# KiCad board motordecoder2-roomlight.kicad_pcb (continued)
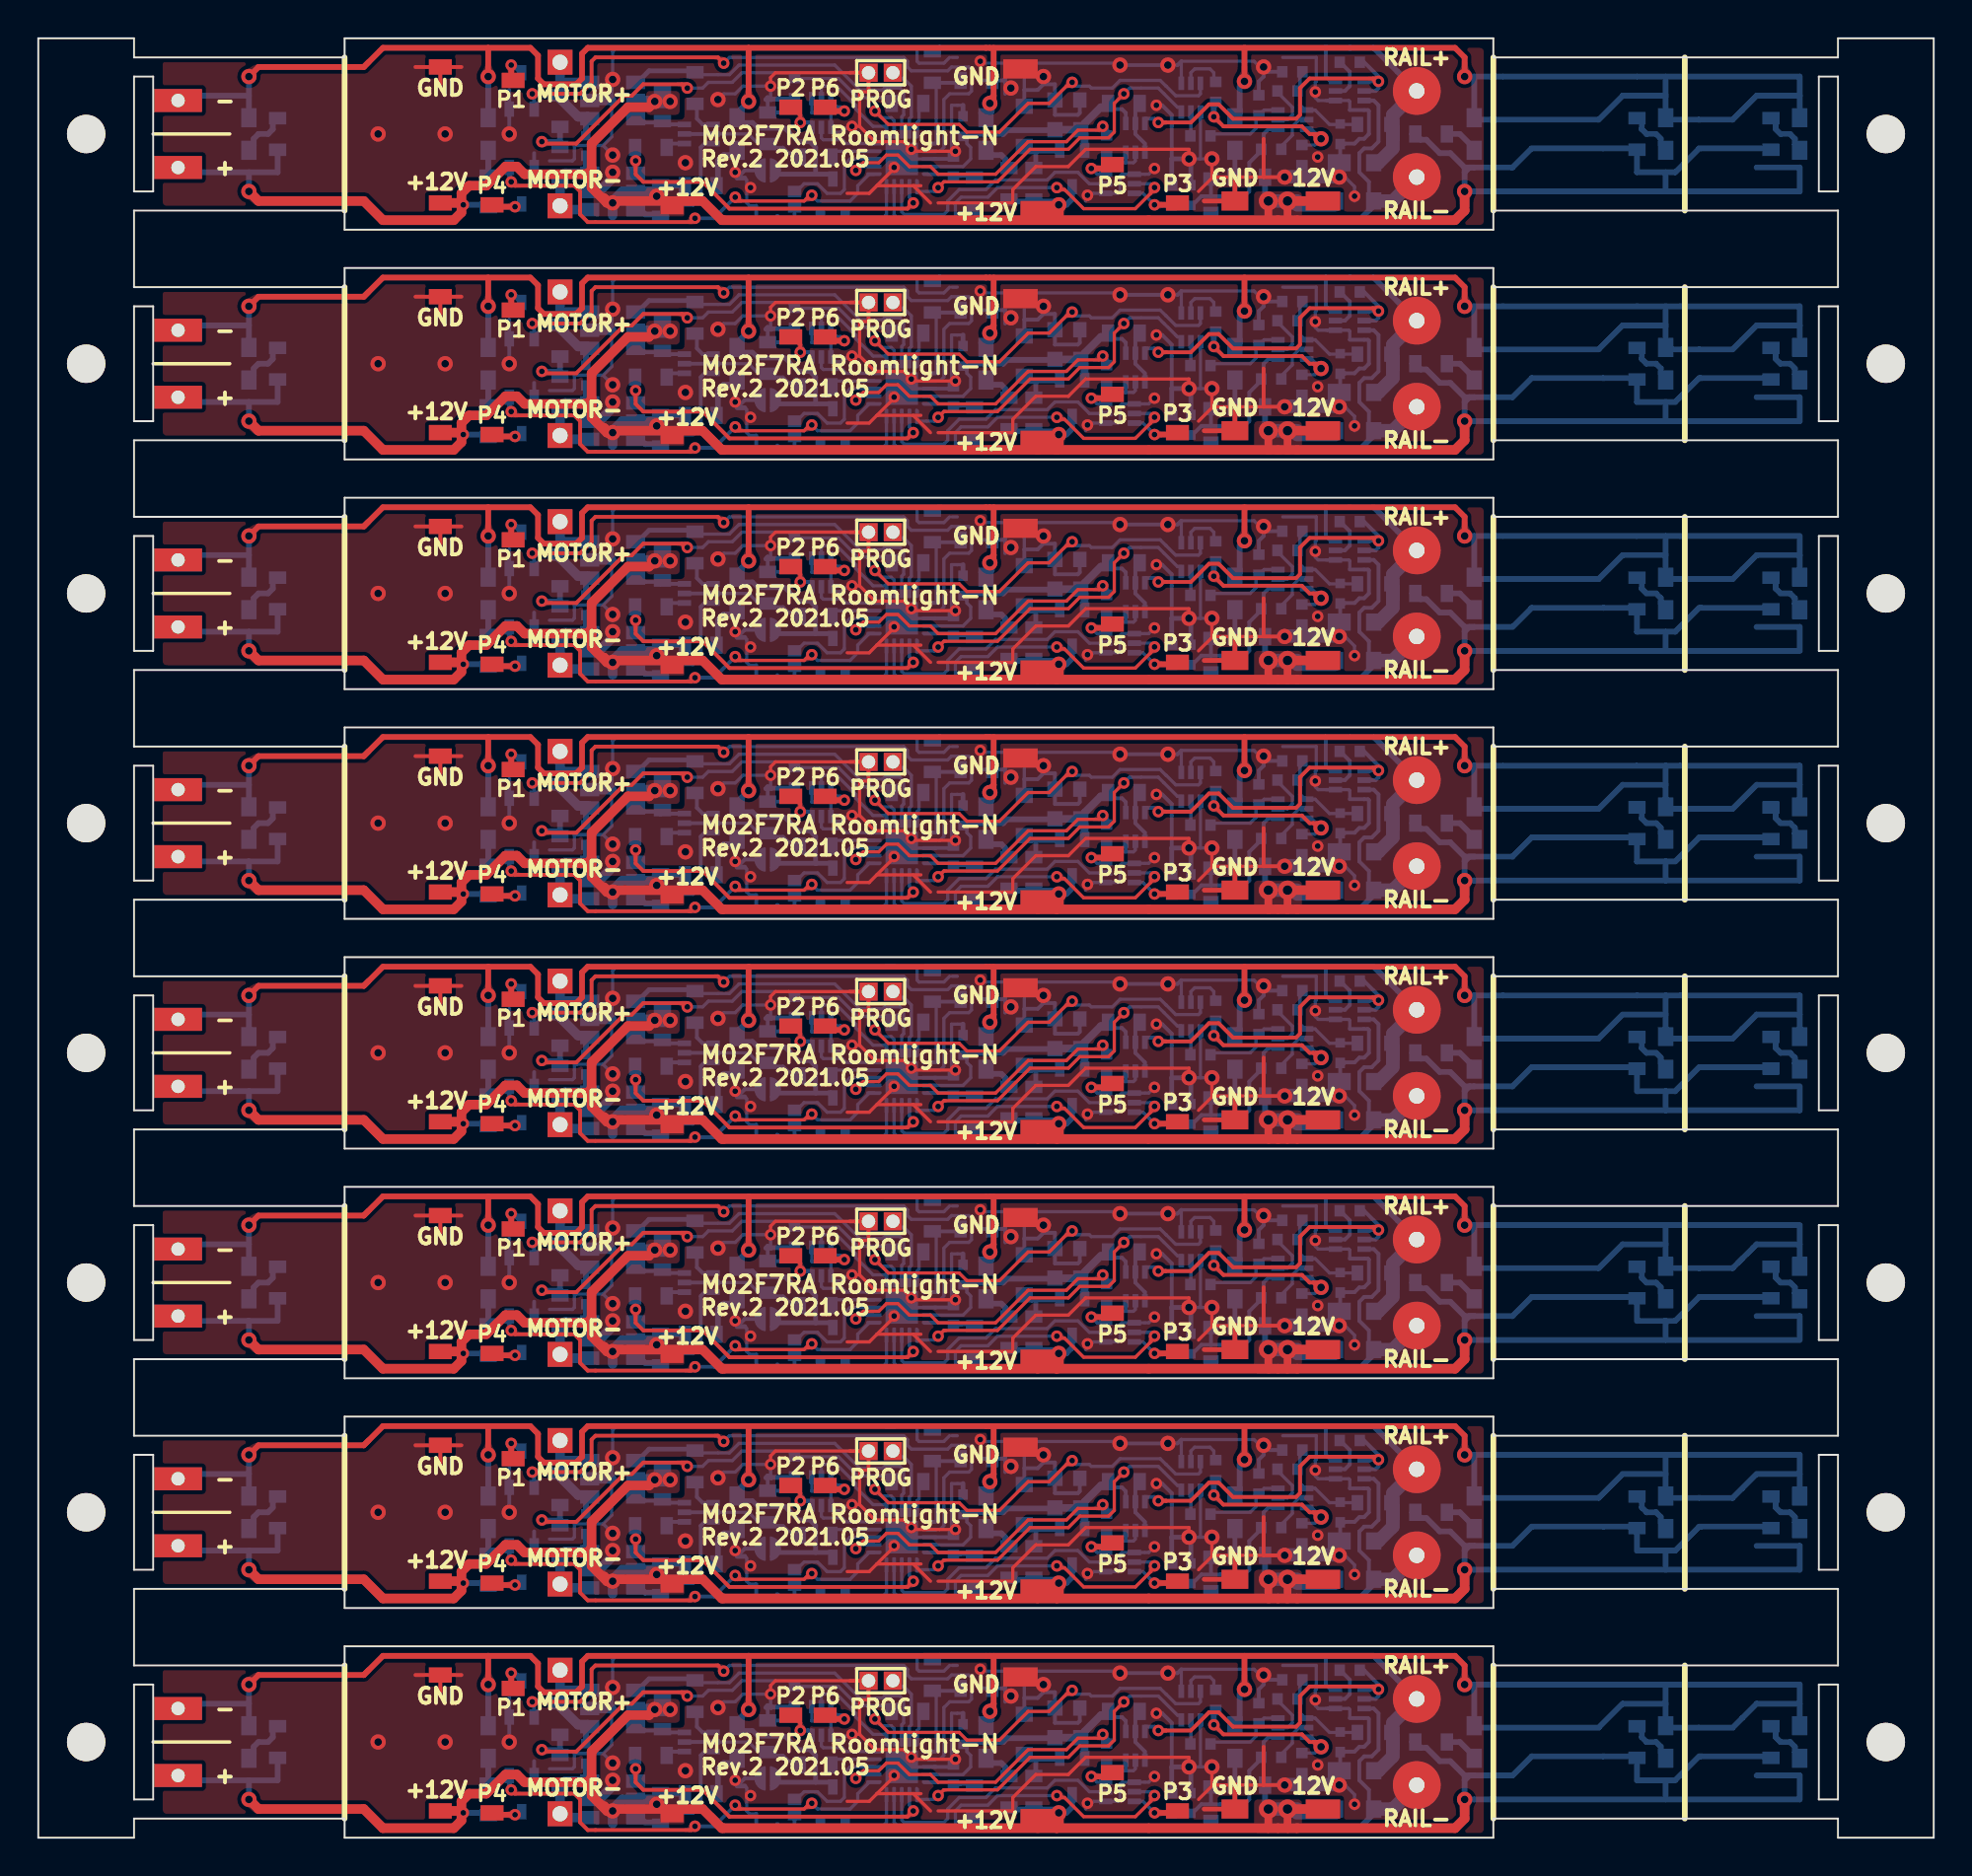
[diagram p0: board, top side]
## Routing (per net, layer and track width the routed paths; a pad name or vN(x,y) marks a point on that pad's centre or on a via; arc(x,y) is an arc through that point) (continued)
Net-(Q8-Pad2): length 18.7
  Bottom w0.2: R15#2.2 68,80.75 68.5,80.25 68.5,79.5 68.25,79.25 Q8#2.2 ; R15#3.2 68,68.75 68.5,68.25 68.5,67.5 68.25,67.25 Q8#3.2 ; R15#4.2 68,56.75 68.5,56.25 68.5,55.5 68.25,55.25 Q8#4.2 ; R15#5.2 68,44.75 68.5,44.25 68.5,43.5 68.25,43.25 Q8#5.2 ; R15#6.2 68,32.75 68.5,32.25 68.5,31.5 68.25,31.25 Q8#6.2 ; R15#7.2 68,20.75 68.5,20.25 68.5,19.5 68.25,19.25 Q8#7.2 ; R15#8.2 68,8.75 68.5,8.25 68.5,7.5 68.25,7.25 Q8#8.2 ; R15.2 68,92.75 68.5,92.25 68.5,91.5 68.25,91.25 Q8.2
Net-(Q21-Pad2): length 19.4
  Bottom w0.17: R31#2.1 64.72,79.17 65.5,78.4 65.5,78 65.25,77.75 Q21#2.2 ; R31#3.1 64.72,67.17 65.5,66.4 65.5,66 65.25,65.75 Q21#3.2 ; R31#4.1 64.72,55.17 65.5,54.4 65.5,54 65.25,53.75 Q21#4.2 ; R31#5.1 64.72,43.17 65.5,42.4 65.5,42 65.25,41.75 Q21#5.2 ; R31#6.1 64.72,31.17 65.5,30.4 65.5,30 65.25,29.75 Q21#6.2 ; R31#7.1 64.72,19.17 65.5,18.4 65.5,18 65.25,17.75 Q21#7.2 ; R31#8.1 64.72,7.17 65.5,6.4 65.5,6 65.25,5.75 Q21#8.2 ; Q21.2 65.25,89.75 65.5,90 65.5,90.4 64.72,91.17 R31.1
Net-(Q21-Pad3): length 33.6
  Bottom w0.17: Q21#2.3 64.03,78.25 R37#2.1 63.6,77.83 63.6,77.3 63.3,77 61.38,77 ; Q21#3.3 64.03,66.25 R37#3.1 63.6,65.83 63.6,65.3 63.3,65 61.38,65 ; Q21#4.3 64.03,54.25 R37#4.1 63.6,53.83 63.6,53.3 63.3,53 61.38,53 ; Q21#5.3 64.03,42.25 R37#5.1 63.6,41.83 63.6,41.3 63.3,41 61.38,41 ; Q21#6.3 64.03,30.25 R37#6.1 63.6,29.83 63.6,29.3 63.3,29 61.38,29 ; Q21#7.3 64.03,18.25 R37#7.1 63.6,17.83 63.6,17.3 63.3,17 61.38,17 ; Q21#8.3 64.03,6.25 R37#8.1 63.6,5.83 63.6,5.3 63.3,5 61.38,5 ; 61.38,89 63.3,89 63.6,89.3 63.6,89.83 R37.1 64.03,90.25 Q21.3
Net-(Q21-Pad5): length 17.5
  Bottom w0.17: Q21#2.5 65.85,77.75 65.5,77.4 65.5,76.94 64.93,76.37 64.93,76.35 ; Q21#3.5 65.85,65.75 65.5,65.4 65.5,64.94 64.93,64.37 64.93,64.35 ; Q21#4.5 65.85,53.75 65.5,53.4 65.5,52.94 64.93,52.37 64.93,52.35 ; Q21#5.5 65.85,41.75 65.5,41.4 65.5,40.94 64.93,40.37 64.93,40.35 ; Q21#6.5 65.85,29.75 65.5,29.4 65.5,28.94 64.93,28.37 64.93,28.35 ; Q21#7.5 65.85,17.75 65.5,17.4 65.5,16.94 64.93,16.37 64.93,16.35 ; Q21#8.5 65.85,5.75 65.5,5.4 65.5,4.94 64.93,4.37 64.93,4.35 ; Q21.5 65.85,89.75 65.5,89.4 65.5,88.94 64.93,88.37 64.93,88.35
Net-(Q21-Pad6): length 77
  Top w0.2: 66.6,77 66.8,76.8 ; 66.6,77 66.95,77 ; 66.6,77 66.4,77 66,77.4 61.9,77.4 v3(61.4,77.9) ; 66.6,65 66.8,64.8 ; 66.6,65 66.95,65 ; 66.6,65 66.4,65 66,65.4 61.9,65.4 v3(61.4,65.9) ; 66.6,53 66.8,52.8 ; 66.6,53 66.95,53 ; 66.6,53 66.4,53 66,53.4 61.9,53.4 v3(61.4,53.9) ; 66.6,41 66.8,40.8 ; 66.6,41 66.95,41 ; 66.6,41 66.4,41 66,41.4 61.9,41.4 v3(61.4,41.9) ; 66.6,29 66.8,28.8 ; 66.6,29 66.95,29 ; 66.6,29 66.4,29 66,29.4 61.9,29.4 v3(61.4,29.9) ; 66.6,17 66.8,16.8 ; 66.6,17 66.95,17 ; 66.6,17 66.4,17 66,17.4 61.9,17.4 v3(61.4,17.9) ; 66.6,5 66.8,4.8 ; 66.6,5 66.95,5 ; 66.6,5 66.4,5 66,5.4 61.9,5.4 v3(61.4,5.9) ; 66.75,77 v1(67,76.75) ; 66.75,65 v1(67,64.75) ; 66.75,53 v1(67,52.75) ; 66.75,41 v1(67,40.75) ; 66.75,29 v1(67,28.75) ; 66.75,17 v1(67,16.75) ; 66.75,5 v1(67,4.75) ; 66.75,89 v1(67,88.75) ; 66.6,89 66.4,89 66,89.4 61.9,89.4 v3(61.4,89.9) ; 66.6,89 66.95,89 ; 66.6,89 66.8,88.8
  Bottom w0.17: R33#2.1 66.68,76.42 v1(67,76.75) 66.5,77.25 Q21#2.6 ; R33#3.1 66.68,64.42 v1(67,64.75) 66.5,65.25 Q21#3.6 ; 66,52.42 66.68,52.42 v1(67,52.75) 66.5,53.25 Q21#4.6 ; 66,40.42 66.68,40.42 v1(67,40.75) 66.5,41.25 Q21#5.6 ; 66,28.42 66.68,28.42 v1(67,28.75) 66.5,29.25 Q21#6.6 ; 66,16.42 66.68,16.42 v1(67,16.75) 66.5,17.25 Q21#7.6 ; 66,4.42 66.68,4.42 v1(67,4.75) 66.5,5.25 Q21#8.6 ; R33.1 66.68,88.42 v1(67,88.75) 66.5,89.25 Q21.6
  Bottom w0.2: 66.75,77 v1(67,76.75) ; 66.75,65 v1(67,64.75) ; 66.75,53 v1(67,52.75) ; 66.75,41 v1(67,40.75) ; 66.75,29 v1(67,28.75) ; 66.75,17 v1(67,16.75) ; 66.75,5 v1(67,4.75) ; 66.75,89 v1(67,88.75)
  Bottom w0.3: R34#2.2 61.4,78.58 61.4,78.1 ; R34#3.2 61.4,66.58 61.4,66.1 ; R34#4.2 61.4,54.58 61.4,54.1 ; R34#5.2 61.4,42.58 61.4,42.1 ; R34#6.2 61.4,30.58 61.4,30.1 ; R34#7.2 61.4,18.58 61.4,18.1 ; R34#8.2 61.4,6.58 61.4,6.1 ; R34.2 61.4,90.58 61.4,90.1
Net-(Q22-Pad2): length 19.5
  Bottom w0.17: Q22#2.2 60.2,80.2 60.4,80.4 61.2,80.4 61.4,80.2 61.4,79.83 R34#2.1 ; Q22#3.2 60.2,68.2 60.4,68.4 61.2,68.4 61.4,68.2 61.4,67.83 R34#3.1 ; Q22#4.2 60.2,56.2 60.4,56.4 61.2,56.4 61.4,56.2 61.4,55.83 61.5,55.72 ; Q22#5.2 60.2,44.2 60.4,44.4 61.2,44.4 61.4,44.2 61.4,43.83 61.5,43.72 ; Q22#6.2 60.2,32.2 60.4,32.4 61.2,32.4 61.4,32.2 61.4,31.83 61.5,31.72 ; Q22#7.2 60.2,20.2 60.4,20.4 61.2,20.4 61.4,20.2 61.4,19.83 61.5,19.72 ; Q22#8.2 60.2,8.2 60.4,8.4 61.2,8.4 61.4,8.2 61.4,7.83 61.5,7.72 ; Q22.2 60.2,92.2 60.4,92.4 61.2,92.4 61.4,92.2 61.4,91.83 R34.1
Net-(Q22-Pad5): length 10.1
  Bottom w0.17: 60.18,76.9 60.2,76.92 Q22#2.5 ; 60.18,64.9 60.2,64.92 Q22#3.5 ; 60.18,52.9 60.2,52.92 Q22#4.5 ; 60.18,40.9 60.2,40.92 Q22#5.5 ; 60.18,28.9 60.2,28.92 Q22#6.5 ; 60.18,16.9 60.2,16.92 Q22#7.5 ; 60.18,4.9 60.2,4.92 Q22#8.5 ; Q22.5 60.2,88.92 60.18,88.9
Net-(R1-Pad2): length 41.1
  Bottom w0.17: 46.9,79.38 46.9,76.5 U2#2.1 46.8,76.5 ; 46.9,67.38 46.9,64.5 U2#3.1 46.8,64.5 ; 46.9,55.38 46.9,52.5 U2#4.1 46.8,52.5 ; 46.9,43.38 46.9,40.5 U2#5.1 46.8,40.5 ; 46.9,31.38 46.9,28.5 U2#6.1 46.8,28.5 ; 46.9,19.38 46.9,16.5 U2#7.1 46.8,16.5 ; 46.9,7.38 46.9,4.5 U2#8.1 46.8,4.5 ; 46.9,79.47 46.8,79.58 ; 46.9,67.47 46.8,67.58 ; 46.9,55.47 46.8,55.58 ; 46.9,43.47 46.8,43.58 ; 46.9,31.47 46.8,31.58 ; 46.9,19.47 46.8,19.58 ; 46.9,7.47 46.8,7.58 ; 46.8,88.5 U2.1 46.9,88.5 46.9,91.38 ; 46.9,91.47 46.8,91.58
  Bottom w0.2: R1#2.2 48.05,79.67 R17#2.1 ; R1#3.2 48.05,67.67 R17#3.1 ; R1#4.2 48.05,55.67 R17#4.1 ; R1#5.2 48.05,43.67 R17#5.1 ; R1#6.2 48.05,31.67 R17#6.1 ; R1#7.2 48.05,19.67 R17#7.1 ; R1#8.2 48.05,7.67 R17#8.1 ; R1.2 48.05,91.67 R17.1
Net-(R10-Pad1): length 185.7
  Top w0.2: v3(33.9,79.4) 33.8,79.4 33.6,79.6 ; v3(33.9,67.4) 33.8,67.4 33.6,67.6 ; v3(33.9,55.4) 33.8,55.4 33.6,55.6 ; v3(33.9,43.4) 33.8,43.4 33.6,43.6 ; v3(33.9,31.4) 33.8,31.4 33.6,31.6 ; v3(33.9,19.4) 33.8,19.4 33.6,19.6 ; v3(33.9,7.4) 33.8,7.4 33.6,7.6 ; v3(26.3,76.6) 26.4,76.5 28.1,76.5 30.6,79 31,79 31.6,79.6 33.9,79.6 ; v3(26.3,64.6) 26.4,64.5 28.1,64.5 30.6,67 31,67 31.6,67.6 33.9,67.6 ; v3(26.3,52.6) 26.4,52.5 28.1,52.5 30.6,55 31,55 31.6,55.6 33.9,55.6 ; v3(26.3,40.6) 26.4,40.5 28.1,40.5 30.6,43 31,43 31.6,43.6 33.9,43.6 ; v3(26.3,28.6) 26.4,28.5 28.1,28.5 30.6,31 31,31 31.6,31.6 33.9,31.6 ; v3(26.3,16.6) 26.4,16.5 28.1,16.5 30.6,19 31,19 31.6,19.6 33.9,19.6 ; v3(26.3,4.6) 26.4,4.5 28.1,4.5 30.6,7 31,7 31.6,7.6 33.9,7.6 ; v3(26.3,88.6) 26.4,88.5 28.1,88.5 30.6,91 31,91 31.6,91.6 33.9,91.6 ; 33.6,91.6 33.8,91.4 v3(33.9,91.4)
  Bottom w0.17: R11#2.2 44.28,78.9 42.8,78.9 41.8,79.9 39.53,79.9 R16#2.1 39.47,79.92 39.2,80.2 36.75,80.2 36.25,79.7 35,79.7 34.7,79.4 v3(33.9,79.4) ; R11#3.2 44.28,66.9 42.8,66.9 41.8,67.9 39.53,67.9 R16#3.1 39.47,67.92 39.2,68.2 36.75,68.2 36.25,67.7 35,67.7 34.7,67.4 v3(33.9,67.4) ; R11#4.2 44.28,54.9 42.8,54.9 41.8,55.9 39.53,55.9 39.5,55.92 39.47,55.92 39.2,56.2 36.75,56.2 36.25,55.7 35,55.7 34.7,55.4 v3(33.9,55.4) ; R11#5.2 44.28,42.9 42.8,42.9 41.8,43.9 39.53,43.9 39.5,43.92 39.47,43.92 39.2,44.2 36.75,44.2 36.25,43.7 35,43.7 34.7,43.4 v3(33.9,43.4) ; R11#6.2 44.28,30.9 42.8,30.9 41.8,31.9 39.53,31.9 39.5,31.92 39.47,31.92 39.2,32.2 36.75,32.2 36.25,31.7 35,31.7 34.7,31.4 v3(33.9,31.4) ; R11#7.2 44.28,18.9 42.8,18.9 41.8,19.9 39.53,19.9 39.5,19.92 39.47,19.92 39.2,20.2 36.75,20.2 36.25,19.7 35,19.7 34.7,19.4 v3(33.9,19.4) ; R11#8.2 44.28,6.9 42.8,6.9 41.8,7.9 39.53,7.9 39.5,7.92 39.47,7.92 39.2,8.2 36.75,8.2 36.25,7.7 35,7.7 34.7,7.4 v3(33.9,7.4) ; 27.33,76.4 R10#2.1 ; 27.33,64.4 R10#3.1 ; 27.33,52.4 R10#4.1 ; 27.33,40.4 R10#5.1 ; 27.33,28.4 R10#6.1 ; 27.33,16.4 R10#7.1 ; 27.33,4.4 R10#8.1 ; 27.33,88.4 R10.1 ; R11.2 44.28,90.9 42.8,90.9 41.8,91.9 39.53,91.9 R16.1 39.47,91.92 39.2,92.2 36.75,92.2 36.25,91.7 35,91.7 34.7,91.4 v3(33.9,91.4)
  Bottom w0.25: 27.17,76.4 R10#2.1 ; 27.17,64.4 R10#3.1 ; 27.17,52.4 R10#4.1 ; 27.17,40.4 R10#5.1 ; 27.17,28.4 R10#6.1 ; 27.17,16.4 R10#7.1 ; 27.17,4.4 R10#8.1 ; v3(26.3,76.6) 27.2,76.6 27.25,76.65 ; v3(26.3,64.6) 27.2,64.6 27.25,64.65 ; v3(26.3,52.6) 27.2,52.6 27.25,52.65 ; v3(26.3,40.6) 27.2,40.6 27.25,40.65 ; v3(26.3,28.6) 27.2,28.6 27.25,28.65 ; v3(26.3,16.6) 27.2,16.6 27.25,16.65 ; v3(26.3,4.6) 27.2,4.6 27.25,4.65 ; 27.17,88.4 R10.1 ; 27.25,88.65 27.2,88.6 v3(26.3,88.6)
  Bottom w0.3: R9#2.1 R10#2.1 ; R9#3.1 R10#3.1 ; R9#4.1 R10#4.1 ; R9#5.1 R10#5.1 ; R9#6.1 R10#6.1 ; R9#7.1 R10#7.1 ; R9#8.1 R10#8.1 ; R9.1 R10.1
Net-(R18-Pad1): length 27.9
  Bottom w0.17: 46.45,74.9 47.5,74.9 ; 47.5,74.9 46.85,74.9 ; 47.5,74.9 47.9,74.9 ; 46.45,62.9 47.5,62.9 ; 47.5,62.9 46.85,62.9 ; 47.5,62.9 47.9,62.9 ; 46.45,50.9 47.5,50.9 ; 47.5,50.9 46.85,50.9 ; 47.5,50.9 47.9,50.9 ; 46.45,38.9 47.5,38.9 ; 47.5,38.9 46.85,38.9 ; 47.5,38.9 47.9,38.9 ; 46.45,26.9 47.5,26.9 ; 47.5,26.9 46.85,26.9 ; 47.5,26.9 47.9,26.9 ; 46.45,14.9 47.5,14.9 ; 47.5,14.9 46.85,14.9 ; 47.5,14.9 47.9,14.9 ; 46.45,2.9 47.5,2.9 ; 47.5,2.9 46.85,2.9 ; 47.5,2.9 47.9,2.9 ; 48,74.8 48.2,74.8 ; 48.2,74.8 48.62,74.8 48.8,74.62 ; 48.2,74.8 47.72,74.8 47.7,74.78 ; 48,62.8 48.2,62.8 ; 48.2,62.8 48.62,62.8 48.8,62.62 ; 48.2,62.8 47.72,62.8 47.7,62.78 ; 48,50.8 48.2,50.8 ; 48.2,50.8 48.62,50.8 48.8,50.62 ; 48.2,50.8 47.72,50.8 47.7,50.78 ; 48,38.8 48.2,38.8 ; 48.2,38.8 48.62,38.8 48.8,38.62 ; 48.2,38.8 47.72,38.8 47.7,38.78 ; 48,26.8 48.2,26.8 ; 48.2,26.8 48.62,26.8 48.8,26.62 ; 48.2,26.8 47.72,26.8 47.7,26.78 ; 48,14.8 48.2,14.8 ; 48.2,14.8 48.62,14.8 48.8,14.62 ; 48.2,14.8 47.72,14.8 47.7,14.78 ; 48,2.8 48.2,2.8 ; 48.2,2.8 48.62,2.8 48.8,2.62 ; 48.2,2.8 47.72,2.8 47.7,2.78 ; 46.85,86.9 47.5,86.9 ; 47.5,86.9 46.45,86.9 ; 47.5,86.9 47.9,86.9 ; 48.2,86.8 48.62,86.8 48.8,86.62 ; 48.2,86.8 47.72,86.8 47.7,86.78 ; 48.2,86.8 48,86.8

## Copper pours and planes (outline as drawn; the poured copper is in the pictures)
+12V on Top: 33.5,7.25 33.5,6 31.75,6 31.75,7.25
+12V on Top: 33.5,19.25 33.5,18 31.75,18 31.75,19.25
+12V on Top: 33.5,31.25 33.5,30 31.75,30 31.75,31.25
+12V on Top: 33.5,43.25 33.5,42 31.75,42 31.75,43.25
+12V on Top: 33.5,55.25 33.5,54 31.75,54 31.75,55.25
+12V on Top: 33.5,67.25 33.5,66 31.75,66 31.75,67.25
+12V on Top: 33.5,79.25 33.5,78 31.75,78 31.75,79.25
+12V on Top: 66,0.25 63.5,0.25 63.5,2 66,2
+12V on Top: 66,12.25 63.5,12.25 63.5,14 66,14
+12V on Top: 66,24.25 63.5,24.25 63.5,26 66,26
+12V on Top: 66,36.25 63.5,36.25 63.5,38 66,38
+12V on Top: 66,48.25 63.5,48.25 63.5,50 66,50
+12V on Top: 66,60.25 63.5,60.25 63.5,62 66,62
+12V on Top: 66,72.25 63.5,72.25 63.5,74 66,74
+12V on Top: 33.75,0.25 29,0.25 29,2 31.75,2 31.75,2.25 33.75,2.25
+12V on Top: 33.75,12.25 29,12.25 29,14 31.75,14 31.75,14.25 33.75,14.25
+12V on Top: 33.75,24.25 29,24.25 29,26 31.75,26 31.75,26.25 33.75,26.25
+12V on Top: 33.75,36.25 29,36.25 29,38 31.75,38 31.75,38.25 33.75,38.25
+12V on Top: 33.75,48.25 29,48.25 29,50 31.75,50 31.75,50.25 33.75,50.25
+12V on Top: 33.75,60.25 29,60.25 29,62 31.75,62 31.75,62.25 33.75,62.25
+12V on Top: 33.75,72.25 29,72.25 29,74 31.75,74 31.75,74.25 33.75,74.25
+12V on Top: 33.5,91.25 33.5,90 31.75,90 31.75,91.25
+12V on Top: 33.75,84.25 29,84.25 29,86 31.75,86 31.75,86.25 33.75,86.25
+12V on Top: 66,84.25 63.5,84.25 63.5,86 66,86
+12V on Bottom: 30.75,0.25 29.25,0.25 29.25,2 30.75,2
+12V on Bottom: 30.75,12.25 29.25,12.25 29.25,14 30.75,14
+12V on Bottom: 30.75,24.25 29.25,24.25 29.25,26 30.75,26
+12V on Bottom: 30.75,36.25 29.25,36.25 29.25,38 30.75,38
+12V on Bottom: 30.75,48.25 29.25,48.25 29.25,50 30.75,50
+12V on Bottom: 30.75,60.25 29.25,60.25 29.25,62 30.75,62
+12V on Bottom: 30.75,72.25 29.25,72.25 29.25,74 30.75,74
+12V on Bottom: 66,1.8 68.05,1.8 68.05,0.75 63.75,0.75 63.75,2 66,2
+12V on Bottom: 66,13.8 68.05,13.8 68.05,12.75 63.75,12.75 63.75,14 66,14
+12V on Bottom: 66,25.8 68.05,25.8 68.05,24.75 63.75,24.75 63.75,26 66,26
+12V on Bottom: 66,37.8 68.05,37.8 68.05,36.75 63.75,36.75 63.75,38 66,38
+12V on Bottom: 66,49.8 68.05,49.8 68.05,48.75 63.75,48.75 63.75,50 66,50
+12V on Bottom: 66,61.8 68.05,61.8 68.05,60.75 63.75,60.75 63.75,62 66,62
+12V on Bottom: 66,73.8 68.05,73.8 68.05,72.75 63.75,72.75 63.75,74 66,74
+12V on Bottom: 30.75,84.25 29.25,84.25 29.25,86 30.75,86
+12V on Bottom: 66,85.8 68.05,85.8 68.05,84.75 63.75,84.75 63.75,86 66,86
GND on Top: 75.5,0.25 66.25,0.25 66.25,2.25 63.25,2.25 63.25,0.25 34.25,0.25 34.25,2.5 31.5,2.5 31.5,2.25 28.75,2.25 28.75,0.25 16.25,0.25 16.25,1.25 6.5,1.25 6.5,9 16.25,9 16.25,9.5 75.5,9.5 ; 1 cut-out
GND on Top: 75.5,12.25 66.25,12.25 66.25,14.25 63.25,14.25 63.25,12.25 34.25,12.25 34.25,14.5 31.5,14.5 31.5,14.25 28.75,14.25 28.75,12.25 16.25,12.25 16.25,13.25 6.5,13.25 6.5,21 16.25,21 16.25,21.5 75.5,21.5 ; 1 cut-out
GND on Top: 75.5,24.25 66.25,24.25 66.25,26.25 63.25,26.25 63.25,24.25 34.25,24.25 34.25,26.5 31.5,26.5 31.5,26.25 28.75,26.25 28.75,24.25 16.25,24.25 16.25,25.25 6.5,25.25 6.5,33 16.25,33 16.25,33.5 75.5,33.5 ; 1 cut-out
GND on Top: 75.5,36.25 66.25,36.25 66.25,38.25 63.25,38.25 63.25,36.25 34.25,36.25 34.25,38.5 31.5,38.5 31.5,38.25 28.75,38.25 28.75,36.25 16.25,36.25 16.25,37.25 6.5,37.25 6.5,45 16.25,45 16.25,45.5 75.5,45.5 ; 1 cut-out
GND on Top: 75.5,48.25 66.25,48.25 66.25,50.25 63.25,50.25 63.25,48.25 34.25,48.25 34.25,50.5 31.5,50.5 31.5,50.25 28.75,50.25 28.75,48.25 16.25,48.25 16.25,49.25 6.5,49.25 6.5,57 16.25,57 16.25,57.5 75.5,57.5 ; 1 cut-out
GND on Top: 75.5,60.25 66.25,60.25 66.25,62.25 63.25,62.25 63.25,60.25 34.25,60.25 34.25,62.5 31.5,62.5 31.5,62.25 28.75,62.25 28.75,60.25 16.25,60.25 16.25,61.25 6.5,61.25 6.5,69 16.25,69 16.25,69.5 75.5,69.5 ; 1 cut-out
GND on Top: 75.5,72.25 66.25,72.25 66.25,74.25 63.25,74.25 63.25,72.25 34.25,72.25 34.25,74.5 31.5,74.5 31.5,74.25 28.75,74.25 28.75,72.25 16.25,72.25 16.25,73.25 6.5,73.25 6.5,81 16.25,81 16.25,81.5 75.5,81.5 ; 1 cut-out
GND on Top: 75.5,84.25 66.25,84.25 66.25,86.25 63.25,86.25 63.25,84.25 34.25,84.25 34.25,86.5 31.5,86.5 31.5,86.25 28.75,86.25 28.75,84.25 16.25,84.25 16.25,85.25 6.5,85.25 6.5,93 16.25,93 16.25,93.5 75.5,93.5 ; 1 cut-out
GND on Bottom: 63.5,2.25 68.25,2.25 68.25,0.25 71,0.25 71,9.75 16.25,9.75 16.25,8.75 6.5,8.75 6.5,1.25 16.25,1.25 16.25,0.25 29,0.25 29,2.25 33.25,2.25 33.25,0.25 63.5,0.25
GND on Bottom: 63.5,14.25 68.25,14.25 68.25,12.25 71,12.25 71,21.75 16.25,21.75 16.25,20.75 6.5,20.75 6.5,13.25 16.25,13.25 16.25,12.25 29,12.25 29,14.25 33.25,14.25 33.25,12.25 63.5,12.25
GND on Bottom: 63.5,26.25 68.25,26.25 68.25,24.25 71,24.25 71,33.75 16.25,33.75 16.25,32.75 6.5,32.75 6.5,25.25 16.25,25.25 16.25,24.25 29,24.25 29,26.25 33.25,26.25 33.25,24.25 63.5,24.25
GND on Bottom: 63.5,38.25 68.25,38.25 68.25,36.25 71,36.25 71,45.75 16.25,45.75 16.25,44.75 6.5,44.75 6.5,37.25 16.25,37.25 16.25,36.25 29,36.25 29,38.25 33.25,38.25 33.25,36.25 63.5,36.25
GND on Bottom: 63.5,50.25 68.25,50.25 68.25,48.25 71,48.25 71,57.75 16.25,57.75 16.25,56.75 6.5,56.75 6.5,49.25 16.25,49.25 16.25,48.25 29,48.25 29,50.25 33.25,50.25 33.25,48.25 63.5,48.25
GND on Bottom: 63.5,62.25 68.25,62.25 68.25,60.25 71,60.25 71,69.75 16.25,69.75 16.25,68.75 6.5,68.75 6.5,61.25 16.25,61.25 16.25,60.25 29,60.25 29,62.25 33.25,62.25 33.25,60.25 63.5,60.25
GND on Bottom: 63.5,74.25 68.25,74.25 68.25,72.25 71,72.25 71,81.75 16.25,81.75 16.25,80.75 6.5,80.75 6.5,73.25 16.25,73.25 16.25,72.25 29,72.25 29,74.25 33.25,74.25 33.25,72.25 63.5,72.25
GND on Bottom: 63.5,86.25 68.25,86.25 68.25,84.25 71,84.25 71,93.75 16.25,93.75 16.25,92.75 6.5,92.75 6.5,85.25 16.25,85.25 16.25,84.25 29,84.25 29,86.25 33.25,86.25 33.25,84.25 63.5,84.25

Small or netless copper shapes (teardrops, artwork), in the pictures only: 384 on Top, 376 on Bottom

## Text on the board
B.SilkS: PROG | DIR | P7
F.SilkS: P4 | P1 | P2 | P6 | P5 | P3 | Rev.2 2021.05 | PROG | - | + | +12V | GND | MOTOR- | MOTOR+ | 12V | RAIL+ | RAIL- | M02F7RA Roomlight-N
